# Altium PCB openservo_tessellated.PcbDoc (part 4 of 13) (continued)
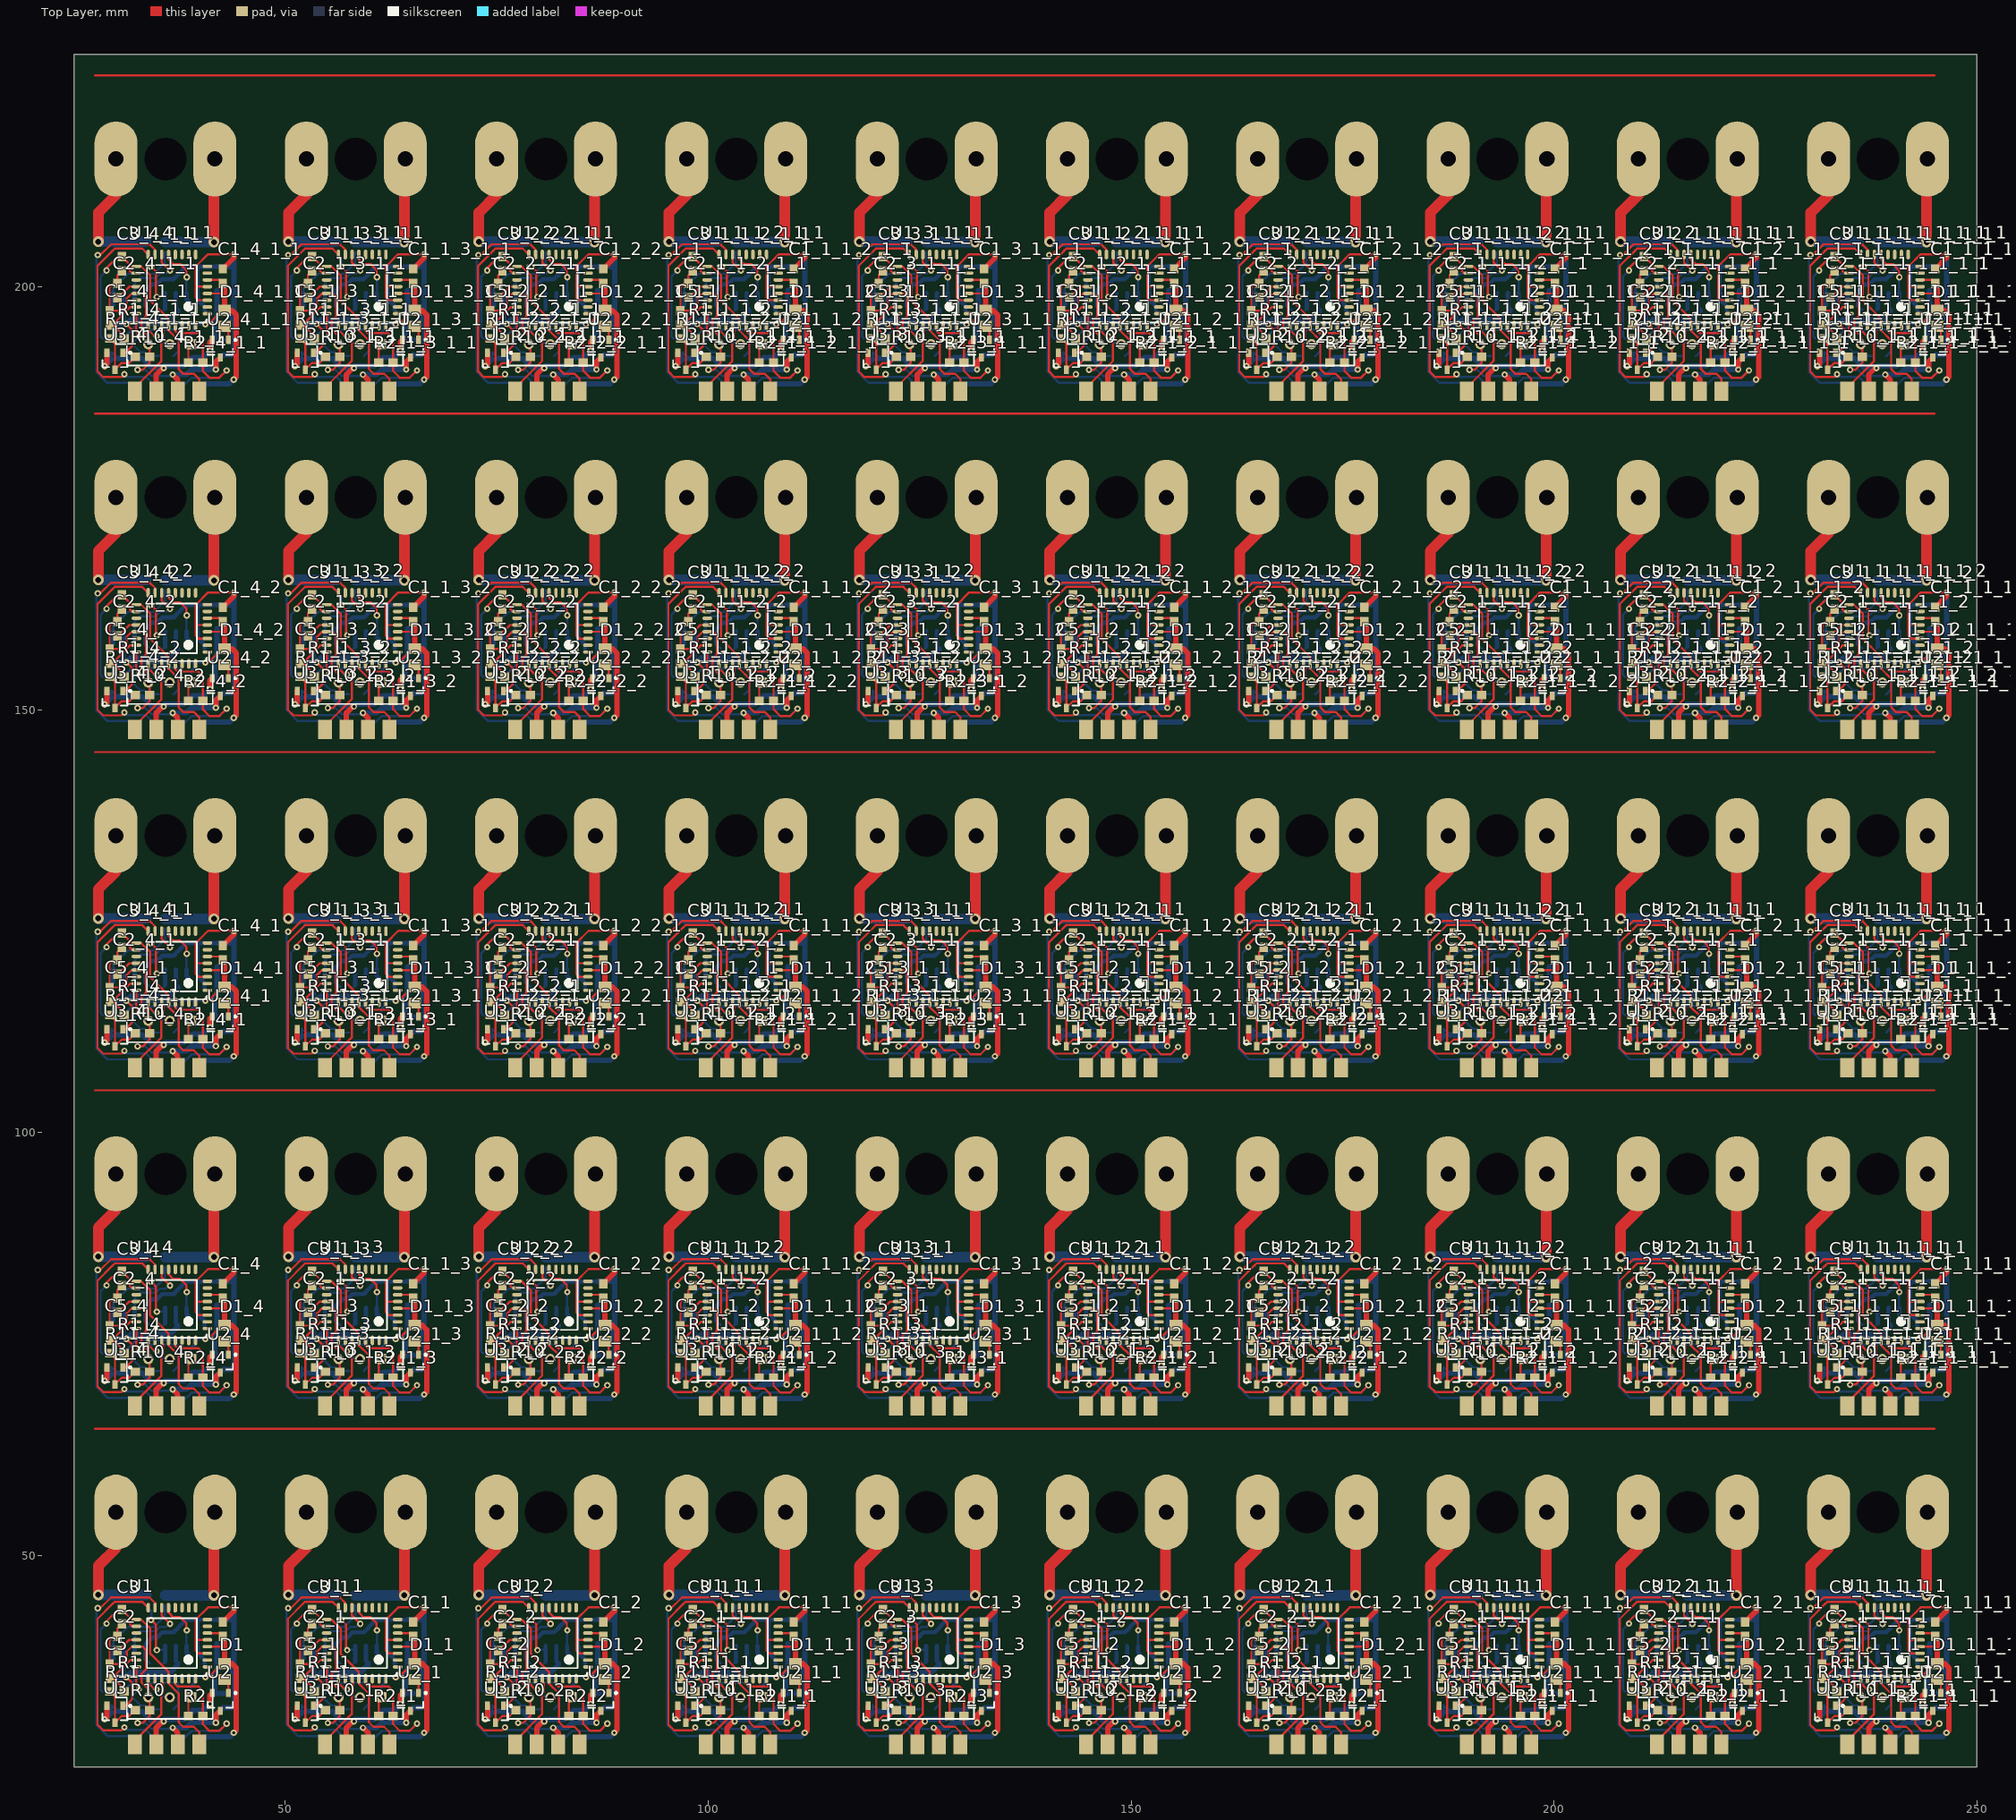
[diagram p0: Top Layer view]
## Nets (pads, with @x,y where several pads share a name; then routed paths per layer and width w, separated by ;. In a path a pad name is that pad's centre, name@x,y a point inside that pad or via, vN(x,y) a via of type N, cw(c..) or ccw(c..) an arc to the next point about the centre after c; other vN are vias at no path point) (continued)
pads on no net: C1_1.1 C1_1.2 C1_1_1.1 C1_1_1.2 C1_1_1_1.1 C1_1_1_1.2 C1_1_1_1_1.1 C1_1_1_1_1.2 C1_1_1_1_1_1.1 C1_1_1_1_1_1.2 C1_1_1_1_1_1_1.1 C1_1_1_1_1_1_1.2 C1_1_1_1_1_1_1_1.1 C1_1_1_1_1_1_1_1.2 C1_1_1_1_1_1_2.1 C1_1_1_1_1_1_2.2 C1_1_1_1_2.1 C1_1_1_1_2.2 C1_1_1_1_2_1.1 C1_1_1_1_2_1.2 C1_1_1_1_2_1_1.1 C1_1_1_1_2_1_1.2 C1_1_1_1_2_2.1 C1_1_1_1_2_2.2 C1_1_1_2.1 C1_1_1_2.2 C1_1_1_2_1.1 C1_1_1_2_1.2 C1_1_1_2_1_1.1 C1_1_1_2_1_1.2 C1_1_1_2_2.1 C1_1_1_2_2.2 C1_1_2.1 C1_1_2.2 C1_1_2_1.1 C1_1_2_1.2 C1_1_2_1_1.1 C1_1_2_1_1.2 C1_1_2_1_1_1.1 C1_1_2_1_1_1.2 C1_1_2_1_2.1 C1_1_2_1_2.2 C1_1_3.1 C1_1_3.2 C1_1_3_1.1 C1_1_3_1.2 C1_1_3_1_1.1 C1_1_3_1_1.2 C1_1_3_2.1 C1_1_3_2.2 C1_2.1 C1_2.2 C1_2_1.1 C1_2_1.2 C1_2_1_1.1 C1_2_1_1.2 C1_2_1_1_1.1 C1_2_1_1_1.2 C1_2_1_1_1_1.1 C1_2_1_1_1_1.2 C1_2_1_1_1_1_1.1 C1_2_1_1_1_1_1.2 C1_2_1_1_1_2.1 C1_2_1_1_1_2.2 C1_2_1_2.1 C1_2_1_2.2 C1_2_1_2_1.1 C1_2_1_2_1.2 C1_2_1_2_1_1.1 C1_2_1_2_1_1.2 C1_2_1_2_2.1 C1_2_1_2_2.2 C1_2_2.1 C1_2_2.2 C1_2_2_1.1 C1_2_2_1.2 C1_2_2_1_1.1 C1_2_2_1_1.2 C1_2_2_2.1 C1_2_2_2.2 C1_3.1 C1_3.2 C1_3_1.1 C1_3_1.2 C1_3_1_1.1 C1_3_1_1.2 C1_3_1_1_1.1 C1_3_1_1_1.2 C1_3_1_2.1 C1_3_1_2.2 C1_4.1 C1_4.2 C1_4_1.1 C1_4_1.2 C1_4_1_1.1 C1_4_1_1.2 C1_4_2.1 C1_4_2.2 C2_1.1 C2_1.2 C2_1_1.1 C2_1_1.2 C2_1_1_1.1 C2_1_1_1.2 C2_1_1_1_1.1 C2_1_1_1_1.2 C2_1_1_1_1_1.1 C2_1_1_1_1_1.2 C2_1_1_1_1_1_1.1 C2_1_1_1_1_1_1.2 C2_1_1_1_1_1_1_1.1 C2_1_1_1_1_1_1_1.2 C2_1_1_1_1_1_2.1 C2_1_1_1_1_1_2.2 C2_1_1_1_2.1 C2_1_1_1_2.2 C2_1_1_1_2_1.1 C2_1_1_1_2_1.2 C2_1_1_1_2_1_1.1 C2_1_1_1_2_1_1.2 C2_1_1_1_2_2.1 C2_1_1_1_2_2.2 C2_1_1_2.1 C2_1_1_2.2 C2_1_1_2_1.1 C2_1_1_2_1.2 C2_1_1_2_1_1.1 C2_1_1_2_1_1.2 C2_1_1_2_2.1 C2_1_1_2_2.2 C2_1_2.1 C2_1_2.2 C2_1_2_1.1 C2_1_2_1.2 C2_1_2_1_1.1 C2_1_2_1_1.2 C2_1_2_1_1_1.1 C2_1_2_1_1_1.2 C2_1_2_1_2.1 C2_1_2_1_2.2 C2_1_3.1 C2_1_3.2 C2_1_3_1.1 C2_1_3_1.2 C2_1_3_1_1.1 C2_1_3_1_1.2 C2_1_3_2.1 C2_1_3_2.2 C2_2.1 C2_2.2 C2_2_1.1 C2_2_1.2 C2_2_1_1.1 C2_2_1_1.2 C2_2_1_1_1.1 C2_2_1_1_1.2 C2_2_1_1_1_1.1 C2_2_1_1_1_1.2 C2_2_1_1_1_1_1.1 C2_2_1_1_1_1_1.2 C2_2_1_1_1_2.1 C2_2_1_1_1_2.2 C2_2_1_2.1 C2_2_1_2.2 C2_2_1_2_1.1 C2_2_1_2_1.2 C2_2_1_2_1_1.1 C2_2_1_2_1_1.2 C2_2_1_2_2.1 C2_2_1_2_2.2 C2_2_2.1 C2_2_2.2 C2_2_2_1.1 C2_2_2_1.2 C2_2_2_1_1.1 C2_2_2_1_1.2 C2_2_2_2.1 C2_2_2_2.2 C2_3.1 C2_3.2 C2_3_1.1 C2_3_1.2 C2_3_1_1.1 C2_3_1_1.2 C2_3_1_1_1.1 C2_3_1_1_1.2 C2_3_1_2.1 C2_3_1_2.2 C2_4.1 C2_4.2 C2_4_1.1 C2_4_1.2 C2_4_1_1.1 C2_4_1_1.2 C2_4_2.1 C2_4_2.2 C3_1.1 C3_1.2 C3_1_1.1 C3_1_1.2 C3_1_1_1.1 C3_1_1_1.2 C3_1_1_1_1.1 C3_1_1_1_1.2 C3_1_1_1_1_1.1 C3_1_1_1_1_1.2 C3_1_1_1_1_1_1.1 C3_1_1_1_1_1_1.2 C3_1_1_1_1_1_1_1.1 C3_1_1_1_1_1_1_1.2 C3_1_1_1_1_1_2.1 C3_1_1_1_1_1_2.2 C3_1_1_1_2.1 C3_1_1_1_2.2 C3_1_1_1_2_1.1 C3_1_1_1_2_1.2 C3_1_1_1_2_1_1.1 C3_1_1_1_2_1_1.2 C3_1_1_1_2_2.1 C3_1_1_1_2_2.2 C3_1_1_2.1 C3_1_1_2.2 C3_1_1_2_1.1 C3_1_1_2_1.2 C3_1_1_2_1_1.1 C3_1_1_2_1_1.2 C3_1_1_2_2.1 C3_1_1_2_2.2 C3_1_2.1 C3_1_2.2 C3_1_2_1.1 C3_1_2_1.2 C3_1_2_1_1.1 C3_1_2_1_1.2 C3_1_2_1_1_1.1 C3_1_2_1_1_1.2 C3_1_2_1_2.1 C3_1_2_1_2.2 C3_1_3.1 C3_1_3.2 C3_1_3_1.1 C3_1_3_1.2 C3_1_3_1_1.1 C3_1_3_1_1.2 C3_1_3_2.1 C3_1_3_2.2 C3_2.1 C3_2.2 C3_2_1.1 C3_2_1.2 C3_2_1_1.1 C3_2_1_1.2 C3_2_1_1_1.1 C3_2_1_1_1.2 C3_2_1_1_1_1.1 C3_2_1_1_1_1.2 C3_2_1_1_1_1_1.1 C3_2_1_1_1_1_1.2 C3_2_1_1_1_2.1 C3_2_1_1_1_2.2 C3_2_1_2.1 C3_2_1_2.2 C3_2_1_2_1.1 C3_2_1_2_1.2 C3_2_1_2_1_1.1 C3_2_1_2_1_1.2 C3_2_1_2_2.1 C3_2_1_2_2.2 C3_2_2.1 C3_2_2.2 C3_2_2_1.1 C3_2_2_1.2 C3_2_2_1_1.1 C3_2_2_1_1.2 C3_2_2_2.1 C3_2_2_2.2 C3_3.1 C3_3.2 C3_3_1.1 C3_3_1.2 C3_3_1_1.1 C3_3_1_1.2 C3_3_1_1_1.1 C3_3_1_1_1.2 C3_3_1_2.1 C3_3_1_2.2 C3_4.1 C3_4.2 C3_4_1.1 C3_4_1.2 C3_4_1_1.1 C3_4_1_1.2 C3_4_2.1 C3_4_2.2 C4_1.1 C4_1.2 C4_1_1.1 C4_1_1.2 C4_1_1_1.1 C4_1_1_1.2 C4_1_1_1_1.1 C4_1_1_1_1.2 C4_1_1_1_1_1.1 C4_1_1_1_1_1.2 C4_1_1_1_1_1_1.1 C4_1_1_1_1_1_1.2 C4_1_1_1_1_1_1_1.1 C4_1_1_1_1_1_1_1.2 C4_1_1_1_1_1_2.1 C4_1_1_1_1_1_2.2 C4_1_1_1_2.1 C4_1_1_1_2.2 C4_1_1_1_2_1.1 C4_1_1_1_2_1.2 C4_1_1_1_2_1_1.1 C4_1_1_1_2_1_1.2 C4_1_1_1_2_2.1 C4_1_1_1_2_2.2 C4_1_1_2.1 C4_1_1_2.2 C4_1_1_2_1.1 C4_1_1_2_1.2 C4_1_1_2_1_1.1 C4_1_1_2_1_1.2 C4_1_1_2_2.1 C4_1_1_2_2.2 C4_1_2.1 C4_1_2.2 C4_1_2_1.1 C4_1_2_1.2 C4_1_2_1_1.1 C4_1_2_1_1.2 C4_1_2_1_1_1.1 C4_1_2_1_1_1.2 C4_1_2_1_2.1 C4_1_2_1_2.2 C4_1_3.1 C4_1_3.2 C4_1_3_1.1 C4_1_3_1.2 C4_1_3_1_1.1 C4_1_3_1_1.2 C4_1_3_2.1 C4_1_3_2.2 C4_2.1 C4_2.2 C4_2_1.1 C4_2_1.2 C4_2_1_1.1 C4_2_1_1.2 C4_2_1_1_1.1 C4_2_1_1_1.2 C4_2_1_1_1_1.1 C4_2_1_1_1_1.2 C4_2_1_1_1_1_1.1 C4_2_1_1_1_1_1.2 C4_2_1_1_1_2.1 C4_2_1_1_1_2.2 C4_2_1_2.1 C4_2_1_2.2 C4_2_1_2_1.1 C4_2_1_2_1.2 C4_2_1_2_1_1.1 C4_2_1_2_1_1.2 C4_2_1_2_2.1 C4_2_1_2_2.2 C4_2_2.1 C4_2_2.2 C4_2_2_1.1 C4_2_2_1.2 C4_2_2_1_1.1 C4_2_2_1_1.2 C4_2_2_2.1 C4_2_2_2.2 C4_3.1 C4_3.2 C4_3_1.1 C4_3_1.2 C4_3_1_1.1 C4_3_1_1.2 C4_3_1_1_1.1 C4_3_1_1_1.2 C4_3_1_2.1 C4_3_1_2.2 C4_4.1 C4_4.2 C4_4_1.1 C4_4_1.2 C4_4_1_1.1 C4_4_1_1.2 C4_4_2.1 C4_4_2.2 C5_1.1 C5_1.2 C5_1_1.1 C5_1_1.2 C5_1_1_1.1 C5_1_1_1.2 C5_1_1_1_1.1 C5_1_1_1_1.2 C5_1_1_1_1_1.1 C5_1_1_1_1_1.2 C5_1_1_1_1_1_1.1 C5_1_1_1_1_1_1.2 C5_1_1_1_1_1_1_1.1 C5_1_1_1_1_1_1_1.2 C5_1_1_1_1_1_2.1 C5_1_1_1_1_1_2.2 C5_1_1_1_2.1 C5_1_1_1_2.2 C5_1_1_1_2_1.1 C5_1_1_1_2_1.2 C5_1_1_1_2_1_1.1 C5_1_1_1_2_1_1.2 C5_1_1_1_2_2.1 C5_1_1_1_2_2.2 C5_1_1_2.1 C5_1_1_2.2 C5_1_1_2_1.1 C5_1_1_2_1.2 C5_1_1_2_1_1.1 C5_1_1_2_1_1.2 C5_1_1_2_2.1 C5_1_1_2_2.2 C5_1_2.1 C5_1_2.2 C5_1_2_1.1 C5_1_2_1.2 C5_1_2_1_1.1 C5_1_2_1_1.2 C5_1_2_1_1_1.1 C5_1_2_1_1_1.2 C5_1_2_1_2.1 C5_1_2_1_2.2 C5_1_3.1 C5_1_3.2 C5_1_3_1.1 C5_1_3_1.2 C5_1_3_1_1.1 C5_1_3_1_1.2 C5_1_3_2.1 C5_1_3_2.2 C5_2.1 C5_2.2 C5_2_1.1 C5_2_1.2 C5_2_1_1.1 C5_2_1_1.2 C5_2_1_1_1.1 C5_2_1_1_1.2 C5_2_1_1_1_1.1 C5_2_1_1_1_1.2 C5_2_1_1_1_1_1.1 C5_2_1_1_1_1_1.2 C5_2_1_1_1_2.1 C5_2_1_1_1_2.2 C5_2_1_2.1 C5_2_1_2.2 C5_2_1_2_1.1 C5_2_1_2_1.2 C5_2_1_2_1_1.1 C5_2_1_2_1_1.2 C5_2_1_2_2.1 C5_2_1_2_2.2 C5_2_2.1 C5_2_2.2 C5_2_2_1.1 C5_2_2_1.2 C5_2_2_1_1.1 C5_2_2_1_1.2 C5_2_2_2.1 C5_2_2_2.2 C5_3.1 C5_3.2 C5_3_1.1 C5_3_1.2 C5_3_1_1.1 C5_3_1_1.2 C5_3_1_1_1.1 C5_3_1_1_1.2 C5_3_1_2.1 C5_3_1_2.2 C5_4.1 C5_4.2 C5_4_1.1 C5_4_1.2 C5_4_1_1.1 C5_4_1_1.2 C5_4_2.1 C5_4_2.2 C6_1.1 C6_1.2 C6_1_1.1 C6_1_1.2 C6_1_1_1.1 C6_1_1_1.2 C6_1_1_1_1.1 C6_1_1_1_1.2 C6_1_1_1_1_1.1 C6_1_1_1_1_1.2 C6_1_1_1_1_1_1.1 C6_1_1_1_1_1_1.2 C6_1_1_1_1_1_1_1.1 C6_1_1_1_1_1_1_1.2 C6_1_1_1_1_1_2.1 C6_1_1_1_1_1_2.2 C6_1_1_1_2.1 C6_1_1_1_2.2 C6_1_1_1_2_1.1 C6_1_1_1_2_1.2 C6_1_1_1_2_1_1.1 C6_1_1_1_2_1_1.2 C6_1_1_1_2_2.1 C6_1_1_1_2_2.2 C6_1_1_2.1 C6_1_1_2.2 C6_1_1_2_1.1 C6_1_1_2_1.2 C6_1_1_2_1_1.1 C6_1_1_2_1_1.2 C6_1_1_2_2.1 C6_1_1_2_2.2 C6_1_2.1 C6_1_2.2 C6_1_2_1.1 C6_1_2_1.2 C6_1_2_1_1.1 C6_1_2_1_1.2 C6_1_2_1_1_1.1 C6_1_2_1_1_1.2 C6_1_2_1_2.1 C6_1_2_1_2.2 C6_1_3.1 C6_1_3.2 C6_1_3_1.1 C6_1_3_1.2 C6_1_3_1_1.1 C6_1_3_1_1.2 C6_1_3_2.1 C6_1_3_2.2 C6_2.1 C6_2.2 C6_2_1.1 C6_2_1.2 C6_2_1_1.1 C6_2_1_1.2 C6_2_1_1_1.1 C6_2_1_1_1.2 C6_2_1_1_1_1.1 C6_2_1_1_1_1.2 C6_2_1_1_1_1_1.1 C6_2_1_1_1_1_1.2 C6_2_1_1_1_2.1 C6_2_1_1_1_2.2 C6_2_1_2.1 C6_2_1_2.2 C6_2_1_2_1.1 C6_2_1_2_1.2 C6_2_1_2_1_1.1 C6_2_1_2_1_1.2 C6_2_1_2_2.1 C6_2_1_2_2.2 C6_2_2.1 C6_2_2.2 C6_2_2_1.1 C6_2_2_1.2 C6_2_2_1_1.1 C6_2_2_1_1.2 C6_2_2_2.1 C6_2_2_2.2 C6_3.1 C6_3.2 C6_3_1.1 C6_3_1.2 C6_3_1_1.1 C6_3_1_1.2 C6_3_1_1_1.1 C6_3_1_1_1.2 C6_3_1_2.1 C6_3_1_2.2 C6_4.1 C6_4.2 C6_4_1.1 C6_4_1.2 C6_4_1_1.1 C6_4_1_1.2 C6_4_2.1 C6_4_2.2 C7_1.1 C7_1.2 C7_1_1.1 C7_1_1.2 C7_1_1_1.1 C7_1_1_1.2 C7_1_1_1_1.1 C7_1_1_1_1.2 C7_1_1_1_1_1.1 C7_1_1_1_1_1.2 C7_1_1_1_1_1_1.1 C7_1_1_1_1_1_1.2 C7_1_1_1_1_1_1_1.1 C7_1_1_1_1_1_1_1.2 C7_1_1_1_1_1_2.1 C7_1_1_1_1_1_2.2 C7_1_1_1_2.1 C7_1_1_1_2.2 C7_1_1_1_2_1.1 C7_1_1_1_2_1.2 C7_1_1_1_2_1_1.1 C7_1_1_1_2_1_1.2 C7_1_1_1_2_2.1 C7_1_1_1_2_2.2 C7_1_1_2.1 C7_1_1_2.2 C7_1_1_2_1.1 C7_1_1_2_1.2 C7_1_1_2_1_1.1 C7_1_1_2_1_1.2 C7_1_1_2_2.1 C7_1_1_2_2.2 C7_1_2.1 C7_1_2.2 C7_1_2_1.1 C7_1_2_1.2 C7_1_2_1_1.1 C7_1_2_1_1.2 C7_1_2_1_1_1.1 C7_1_2_1_1_1.2 C7_1_2_1_2.1 C7_1_2_1_2.2 C7_1_3.1 C7_1_3.2 C7_1_3_1.1 C7_1_3_1.2 C7_1_3_1_1.1 C7_1_3_1_1.2 C7_1_3_2.1 C7_1_3_2.2 C7_2.1 C7_2.2 C7_2_1.1 C7_2_1.2 C7_2_1_1.1 C7_2_1_1.2 C7_2_1_1_1.1 C7_2_1_1_1.2 C7_2_1_1_1_1.1 C7_2_1_1_1_1.2 C7_2_1_1_1_1_1.1 C7_2_1_1_1_1_1.2 C7_2_1_1_1_2.1 C7_2_1_1_1_2.2 C7_2_1_2.1 C7_2_1_2.2 C7_2_1_2_1.1 C7_2_1_2_1.2 C7_2_1_2_1_1.1 C7_2_1_2_1_1.2 C7_2_1_2_2.1 C7_2_1_2_2.2 C7_2_2.1 C7_2_2.2 C7_2_2_1.1 C7_2_2_1.2 C7_2_2_1_1.1 C7_2_2_1_1.2 C7_2_2_2.1 C7_2_2_2.2 C7_3.1 C7_3.2 C7_3_1.1 C7_3_1.2 C7_3_1_1.1 C7_3_1_1.2 C7_3_1_1_1.1 C7_3_1_1_1.2 C7_3_1_2.1 C7_3_1_2.2 C7_4.1 C7_4.2 C7_4_1.1 C7_4_1.2 C7_4_1_1.1 C7_4_1_1.2 C7_4_2.1 C7_4_2.2 C8_1.1 C8_1.2 C8_1_1.1 C8_1_1.2 C8_1_1_1.1 C8_1_1_1.2 C8_1_1_1_1.1 C8_1_1_1_1.2 C8_1_1_1_1_1.1 C8_1_1_1_1_1.2 C8_1_1_1_1_1_1.1 C8_1_1_1_1_1_1.2 C8_1_1_1_1_1_1_1.1 C8_1_1_1_1_1_1_1.2 C8_1_1_1_1_1_2.1 C8_1_1_1_1_1_2.2 C8_1_1_1_2.1 C8_1_1_1_2.2 C8_1_1_1_2_1.1 C8_1_1_1_2_1.2 C8_1_1_1_2_1_1.1 C8_1_1_1_2_1_1.2 C8_1_1_1_2_2.1 C8_1_1_1_2_2.2 C8_1_1_2.1 C8_1_1_2.2 C8_1_1_2_1.1 C8_1_1_2_1.2 C8_1_1_2_1_1.1 C8_1_1_2_1_1.2 C8_1_1_2_2.1 C8_1_1_2_2.2 C8_1_2.1 C8_1_2.2 C8_1_2_1.1 C8_1_2_1.2 C8_1_2_1_1.1 C8_1_2_1_1.2 C8_1_2_1_1_1.1 C8_1_2_1_1_1.2 C8_1_2_1_2.1 C8_1_2_1_2.2 C8_1_3.1 C8_1_3.2 C8_1_3_1.1 C8_1_3_1.2 C8_1_3_1_1.1 C8_1_3_1_1.2 C8_1_3_2.1 C8_1_3_2.2 C8_2.1 C8_2.2 C8_2_1.1 C8_2_1.2 C8_2_1_1.1 C8_2_1_1.2 C8_2_1_1_1.1 C8_2_1_1_1.2 C8_2_1_1_1_1.1 C8_2_1_1_1_1.2 C8_2_1_1_1_1_1.1 C8_2_1_1_1_1_1.2 C8_2_1_1_1_2.1 C8_2_1_1_1_2.2 C8_2_1_2.1 C8_2_1_2.2 C8_2_1_2_1.1 C8_2_1_2_1.2 C8_2_1_2_1_1.1 C8_2_1_2_1_1.2 C8_2_1_2_2.1 C8_2_1_2_2.2 C8_2_2.1 C8_2_2.2 C8_2_2_1.1 C8_2_2_1.2 C8_2_2_1_1.1 C8_2_2_1_1.2 C8_2_2_2.1 C8_2_2_2.2 C8_3.1 C8_3.2 C8_3_1.1 C8_3_1.2 C8_3_1_1.1 C8_3_1_1.2 C8_3_1_1_1.1 C8_3_1_1_1.2 C8_3_1_2.1 C8_3_1_2.2 C8_4.1 C8_4.2 C8_4_1.1 C8_4_1.2 C8_4_1_1.1 C8_4_1_1.2 C8_4_2.1 C8_4_2.2 D1_1.1 D1_1.2 D1_1_1.1 D1_1_1.2 D1_1_1_1.1 D1_1_1_1.2 D1_1_1_1_1.1 D1_1_1_1_1.2 D1_1_1_1_1_1.1 D1_1_1_1_1_1.2 D1_1_1_1_1_1_1.1 D1_1_1_1_1_1_1.2 D1_1_1_1_1_1_1_1.1 D1_1_1_1_1_1_1_1.2 D1_1_1_1_1_1_2.1 D1_1_1_1_1_1_2.2 D1_1_1_1_2.1 D1_1_1_1_2.2 D1_1_1_1_2_1.1 D1_1_1_1_2_1.2 D1_1_1_1_2_1_1.1 D1_1_1_1_2_1_1.2 D1_1_1_1_2_2.1 D1_1_1_1_2_2.2 D1_1_1_2.1 D1_1_1_2.2 D1_1_1_2_1.1 D1_1_1_2_1.2 D1_1_1_2_1_1.1 D1_1_1_2_1_1.2 D1_1_1_2_2.1 D1_1_1_2_2.2 D1_1_2.1 D1_1_2.2 D1_1_2_1.1 D1_1_2_1.2 D1_1_2_1_1.1 D1_1_2_1_1.2 D1_1_2_1_1_1.1 D1_1_2_1_1_1.2 D1_1_2_1_2.1 D1_1_2_1_2.2 D1_1_3.1 D1_1_3.2 D1_1_3_1.1 D1_1_3_1.2 D1_1_3_1_1.1 D1_1_3_1_1.2 D1_1_3_2.1 D1_1_3_2.2 D1_2.1 D1_2.2 D1_2_1.1 D1_2_1.2 D1_2_1_1.1 D1_2_1_1.2 D1_2_1_1_1.1 D1_2_1_1_1.2 D1_2_1_1_1_1.1 D1_2_1_1_1_1.2 D1_2_1_1_1_1_1.1 D1_2_1_1_1_1_1.2 D1_2_1_1_1_2.1 D1_2_1_1_1_2.2 D1_2_1_2.1 D1_2_1_2.2 D1_2_1_2_1.1 D1_2_1_2_1.2 D1_2_1_2_1_1.1 D1_2_1_2_1_1.2 D1_2_1_2_2.1 D1_2_1_2_2.2 D1_2_2.1 D1_2_2.2 D1_2_2_1.1 D1_2_2_1.2 D1_2_2_1_1.1 D1_2_2_1_1.2 D1_2_2_2.1 D1_2_2_2.2 D1_3.1 D1_3.2 D1_3_1.1 D1_3_1.2 D1_3_1_1.1 D1_3_1_1.2 D1_3_1_1_1.1 D1_3_1_1_1.2 D1_3_1_2.1 D1_3_1_2.2 D1_4.1 D1_4.2 D1_4_1.1 D1_4_1.2 D1_4_1_1.1 D1_4_1_1.2 D1_4_2.1 D1_4_2.2 Q1_1.1 Q1_1.2 Q1_1.3 Q1_1.4 Q1_1.5 Q1_1.6 Q1_1.7 Q1_1.8 Q1_1_1.1 Q1_1_1.2 Q1_1_1.3 Q1_1_1.4 Q1_1_1.5 Q1_1_1.6 Q1_1_1.7 Q1_1_1.8 Q1_1_1_1.1 Q1_1_1_1.2 Q1_1_1_1.3 Q1_1_1_1.4 Q1_1_1_1.5 Q1_1_1_1.6 Q1_1_1_1.7 Q1_1_1_1.8 Q1_1_1_1_1.1 Q1_1_1_1_1.2 Q1_1_1_1_1.3 Q1_1_1_1_1.4 Q1_1_1_1_1.5 Q1_1_1_1_1.6 Q1_1_1_1_1.7 Q1_1_1_1_1.8 Q1_1_1_1_1_1.1 Q1_1_1_1_1_1.2 Q1_1_1_1_1_1.3 Q1_1_1_1_1_1.4 Q1_1_1_1_1_1.5 Q1_1_1_1_1_1.6 Q1_1_1_1_1_1.7 Q1_1_1_1_1_1.8 Q1_1_1_1_1_1_1.1 Q1_1_1_1_1_1_1.2 Q1_1_1_1_1_1_1.3 Q1_1_1_1_1_1_1.4 Q1_1_1_1_1_1_1.5 Q1_1_1_1_1_1_1.6 Q1_1_1_1_1_1_1.7 Q1_1_1_1_1_1_1.8 Q1_1_1_1_1_1_1_1.1 Q1_1_1_1_1_1_1_1.2 Q1_1_1_1_1_1_1_1.3 Q1_1_1_1_1_1_1_1.4 Q1_1_1_1_1_1_1_1.5 Q1_1_1_1_1_1_1_1.6 Q1_1_1_1_1_1_1_1.7 Q1_1_1_1_1_1_1_1.8 Q1_1_1_1_1_1_2.1 Q1_1_1_1_1_1_2.2 Q1_1_1_1_1_1_2.3 Q1_1_1_1_1_1_2.4 Q1_1_1_1_1_1_2.5 Q1_1_1_1_1_1_2.6 Q1_1_1_1_1_1_2.7 Q1_1_1_1_1_1_2.8 Q1_1_1_1_2.1 Q1_1_1_1_2.2 Q1_1_1_1_2.3 Q1_1_1_1_2.4 Q1_1_1_1_2.5 Q1_1_1_1_2.6 Q1_1_1_1_2.7 Q1_1_1_1_2.8 Q1_1_1_1_2_1.1 Q1_1_1_1_2_1.2 Q1_1_1_1_2_1.3 Q1_1_1_1_2_1.4 Q1_1_1_1_2_1.5 Q1_1_1_1_2_1.6 Q1_1_1_1_2_1.7 Q1_1_1_1_2_1.8 Q1_1_1_1_2_1_1.1 Q1_1_1_1_2_1_1.2 Q1_1_1_1_2_1_1.3 Q1_1_1_1_2_1_1.4 Q1_1_1_1_2_1_1.5 Q1_1_1_1_2_1_1.6 Q1_1_1_1_2_1_1.7 Q1_1_1_1_2_1_1.8 Q1_1_1_1_2_2.1 Q1_1_1_1_2_2.2 Q1_1_1_1_2_2.3 Q1_1_1_1_2_2.4 Q1_1_1_1_2_2.5 Q1_1_1_1_2_2.6 Q1_1_1_1_2_2.7 Q1_1_1_1_2_2.8 Q1_1_1_2.1 Q1_1_1_2.2 Q1_1_1_2.3 Q1_1_1_2.4 Q1_1_1_2.5 Q1_1_1_2.6 Q1_1_1_2.7 Q1_1_1_2.8 Q1_1_1_2_1.1 Q1_1_1_2_1.2 Q1_1_1_2_1.3 Q1_1_1_2_1.4 Q1_1_1_2_1.5 Q1_1_1_2_1.6 Q1_1_1_2_1.7 Q1_1_1_2_1.8 Q1_1_1_2_1_1.1 Q1_1_1_2_1_1.2 Q1_1_1_2_1_1.3 Q1_1_1_2_1_1.4 Q1_1_1_2_1_1.5 Q1_1_1_2_1_1.6 Q1_1_1_2_1_1.7 Q1_1_1_2_1_1.8 Q1_1_1_2_2.1 Q1_1_1_2_2.2 Q1_1_1_2_2.3 Q1_1_1_2_2.4 Q1_1_1_2_2.5 Q1_1_1_2_2.6 Q1_1_1_2_2.7 Q1_1_1_2_2.8 Q1_1_2.1 Q1_1_2.2 Q1_1_2.3 Q1_1_2.4 Q1_1_2.5 Q1_1_2.6 Q1_1_2.7 Q1_1_2.8 Q1_1_2_1.1 Q1_1_2_1.2 Q1_1_2_1.3 Q1_1_2_1.4 Q1_1_2_1.5 Q1_1_2_1.6 Q1_1_2_1.7 Q1_1_2_1.8 Q1_1_2_1_1.1 Q1_1_2_1_1.2 Q1_1_2_1_1.3 Q1_1_2_1_1.4 Q1_1_2_1_1.5 Q1_1_2_1_1.6 Q1_1_2_1_1.7 Q1_1_2_1_1.8 Q1_1_2_1_1_1.1 Q1_1_2_1_1_1.2 Q1_1_2_1_1_1.3 Q1_1_2_1_1_1.4 Q1_1_2_1_1_1.5 Q1_1_2_1_1_1.6 Q1_1_2_1_1_1.7 Q1_1_2_1_1_1.8 Q1_1_2_1_2.1 Q1_1_2_1_2.2 Q1_1_2_1_2.3 Q1_1_2_1_2.4 Q1_1_2_1_2.5 Q1_1_2_1_2.6 Q1_1_2_1_2.7 Q1_1_2_1_2.8 Q1_1_3.1 Q1_1_3.2 Q1_1_3.3 Q1_1_3.4 Q1_1_3.5 Q1_1_3.6 Q1_1_3.7 Q1_1_3.8 Q1_1_3_1.1 Q1_1_3_1.2 Q1_1_3_1.3 Q1_1_3_1.4 Q1_1_3_1.5 Q1_1_3_1.6 Q1_1_3_1.7 Q1_1_3_1.8 Q1_1_3_1_1.1 Q1_1_3_1_1.2 Q1_1_3_1_1.3 Q1_1_3_1_1.4 Q1_1_3_1_1.5 Q1_1_3_1_1.6 Q1_1_3_1_1.7 Q1_1_3_1_1.8 Q1_1_3_2.1 Q1_1_3_2.2 Q1_1_3_2.3 Q1_1_3_2.4 Q1_1_3_2.5 Q1_1_3_2.6 Q1_1_3_2.7 Q1_1_3_2.8 Q1_2.1 Q1_2.2 Q1_2.3 Q1_2.4 Q1_2.5 Q1_2.6 Q1_2.7 Q1_2.8 Q1_2_1.1 Q1_2_1.2 Q1_2_1.3 Q1_2_1.4 Q1_2_1.5 Q1_2_1.6 Q1_2_1.7 Q1_2_1.8 Q1_2_1_1.1 Q1_2_1_1.2 Q1_2_1_1.3 Q1_2_1_1.4 Q1_2_1_1.5 Q1_2_1_1.6 Q1_2_1_1.7 Q1_2_1_1.8 Q1_2_1_1_1.1 Q1_2_1_1_1.2 Q1_2_1_1_1.3 Q1_2_1_1_1.4 Q1_2_1_1_1.5 Q1_2_1_1_1.6 Q1_2_1_1_1.7 Q1_2_1_1_1.8 Q1_2_1_1_1_1.1 Q1_2_1_1_1_1.2 Q1_2_1_1_1_1.3 Q1_2_1_1_1_1.4 Q1_2_1_1_1_1.5 Q1_2_1_1_1_1.6 Q1_2_1_1_1_1.7 Q1_2_1_1_1_1.8 Q1_2_1_1_1_1_1.1 Q1_2_1_1_1_1_1.2 Q1_2_1_1_1_1_1.3 Q1_2_1_1_1_1_1.4 Q1_2_1_1_1_1_1.5 Q1_2_1_1_1_1_1.6 Q1_2_1_1_1_1_1.7 Q1_2_1_1_1_1_1.8 Q1_2_1_1_1_2.1 Q1_2_1_1_1_2.2 Q1_2_1_1_1_2.3 Q1_2_1_1_1_2.4 Q1_2_1_1_1_2.5 Q1_2_1_1_1_2.6 Q1_2_1_1_1_2.7 Q1_2_1_1_1_2.8 Q1_2_1_2.1 Q1_2_1_2.2 Q1_2_1_2.3 Q1_2_1_2.4 Q1_2_1_2.5 Q1_2_1_2.6 Q1_2_1_2.7 Q1_2_1_2.8 Q1_2_1_2_1.1 Q1_2_1_2_1.2 Q1_2_1_2_1.3 Q1_2_1_2_1.4 Q1_2_1_2_1.5 Q1_2_1_2_1.6 Q1_2_1_2_1.7 Q1_2_1_2_1.8 Q1_2_1_2_1_1.1 Q1_2_1_2_1_1.2 Q1_2_1_2_1_1.3 Q1_2_1_2_1_1.4 Q1_2_1_2_1_1.5 Q1_2_1_2_1_1.6 Q1_2_1_2_1_1.7 Q1_2_1_2_1_1.8 Q1_2_1_2_2.1 Q1_2_1_2_2.2 Q1_2_1_2_2.3 Q1_2_1_2_2.4 Q1_2_1_2_2.5 Q1_2_1_2_2.6 Q1_2_1_2_2.7 Q1_2_1_2_2.8 Q1_2_2.1 Q1_2_2.2 Q1_2_2.3 Q1_2_2.4 Q1_2_2.5 Q1_2_2.6 Q1_2_2.7 Q1_2_2.8 Q1_2_2_1.1 Q1_2_2_1.2 Q1_2_2_1.3 Q1_2_2_1.4 Q1_2_2_1.5 Q1_2_2_1.6 Q1_2_2_1.7 Q1_2_2_1.8 Q1_2_2_1_1.1 Q1_2_2_1_1.2 Q1_2_2_1_1.3 Q1_2_2_1_1.4 Q1_2_2_1_1.5 Q1_2_2_1_1.6 Q1_2_2_1_1.7 Q1_2_2_1_1.8 Q1_2_2_2.1 Q1_2_2_2.2 Q1_2_2_2.3 Q1_2_2_2.4 Q1_2_2_2.5 Q1_2_2_2.6 Q1_2_2_2.7 Q1_2_2_2.8 Q1_3.1 Q1_3.2 Q1_3.3 Q1_3.4 Q1_3.5 Q1_3.6 Q1_3.7 Q1_3.8 Q1_3_1.1 Q1_3_1.2 Q1_3_1.3 Q1_3_1.4 Q1_3_1.5 Q1_3_1.6 Q1_3_1.7 Q1_3_1.8 Q1_3_1_1.1 Q1_3_1_1.2 Q1_3_1_1.3 Q1_3_1_1.4 Q1_3_1_1.5 Q1_3_1_1.6 Q1_3_1_1.7 Q1_3_1_1.8 Q1_3_1_1_1.1 Q1_3_1_1_1.2 Q1_3_1_1_1.3 Q1_3_1_1_1.4 Q1_3_1_1_1.5 Q1_3_1_1_1.6 Q1_3_1_1_1.7 Q1_3_1_1_1.8 Q1_3_1_2.1 Q1_3_1_2.2 Q1_3_1_2.3 Q1_3_1_2.4 Q1_3_1_2.5 Q1_3_1_2.6 Q1_3_1_2.7 Q1_3_1_2.8 Q1_4.1 Q1_4.2 Q1_4.3 Q1_4.4 Q1_4.5 Q1_4.6 Q1_4.7 Q1_4.8 Q1_4_1.1 Q1_4_1.2 Q1_4_1.3 Q1_4_1.4 Q1_4_1.5 Q1_4_1.6 Q1_4_1.7 Q1_4_1.8 Q1_4_1_1.1 Q1_4_1_1.2 Q1_4_1_1.3 Q1_4_1_1.4 Q1_4_1_1.5 Q1_4_1_1.6 Q1_4_1_1.7 Q1_4_1_1.8 Q1_4_2.1 Q1_4_2.2 Q1_4_2.3 Q1_4_2.4 Q1_4_2.5 Q1_4_2.6 Q1_4_2.7 Q1_4_2.8 Q2_1.1 Q2_1.2 Q2_1.3 Q2_1.4 Q2_1.5 Q2_1.6 Q2_1.7 Q2_1.8 Q2_1_1.1 Q2_1_1.2 Q2_1_1.3 Q2_1_1.4 Q2_1_1.5 Q2_1_1.6 Q2_1_1.7 Q2_1_1.8 Q2_1_1_1.1 Q2_1_1_1.2 Q2_1_1_1.3 Q2_1_1_1.4 Q2_1_1_1.5 Q2_1_1_1.6 Q2_1_1_1.7 Q2_1_1_1.8 Q2_1_1_1_1.1 Q2_1_1_1_1.2 Q2_1_1_1_1.3 Q2_1_1_1_1.4 Q2_1_1_1_1.5 Q2_1_1_1_1.6 Q2_1_1_1_1.7 Q2_1_1_1_1.8 Q2_1_1_1_1_1.1 Q2_1_1_1_1_1.2 Q2_1_1_1_1_1.3 Q2_1_1_1_1_1.4 Q2_1_1_1_1_1.5 Q2_1_1_1_1_1.6 Q2_1_1_1_1_1.7 Q2_1_1_1_1_1.8 Q2_1_1_1_1_1_1.1 Q2_1_1_1_1_1_1.2 Q2_1_1_1_1_1_1.3 Q2_1_1_1_1_1_1.4 Q2_1_1_1_1_1_1.5 Q2_1_1_1_1_1_1.6 Q2_1_1_1_1_1_1.7 Q2_1_1_1_1_1_1.8 Q2_1_1_1_1_1_1_1.1 Q2_1_1_1_1_1_1_1.2 Q2_1_1_1_1_1_1_1.3 Q2_1_1_1_1_1_1_1.4 Q2_1_1_1_1_1_1_1.5 Q2_1_1_1_1_1_1_1.6 Q2_1_1_1_1_1_1_1.7 Q2_1_1_1_1_1_1_1.8 Q2_1_1_1_1_1_2.1 Q2_1_1_1_1_1_2.2 Q2_1_1_1_1_1_2.3 Q2_1_1_1_1_1_2.4 Q2_1_1_1_1_1_2.5 Q2_1_1_1_1_1_2.6 Q2_1_1_1_1_1_2.7 Q2_1_1_1_1_1_2.8 Q2_1_1_1_2.1 Q2_1_1_1_2.2 Q2_1_1_1_2.3 Q2_1_1_1_2.4 Q2_1_1_1_2.5 Q2_1_1_1_2.6 Q2_1_1_1_2.7 Q2_1_1_1_2.8 Q2_1_1_1_2_1.1 Q2_1_1_1_2_1.2 Q2_1_1_1_2_1.3 Q2_1_1_1_2_1.4 Q2_1_1_1_2_1.5 Q2_1_1_1_2_1.6 Q2_1_1_1_2_1.7 Q2_1_1_1_2_1.8 Q2_1_1_1_2_1_1.1 Q2_1_1_1_2_1_1.2 Q2_1_1_1_2_1_1.3 Q2_1_1_1_2_1_1.4 Q2_1_1_1_2_1_1.5 Q2_1_1_1_2_1_1.6 Q2_1_1_1_2_1_1.7 Q2_1_1_1_2_1_1.8 Q2_1_1_1_2_2.1 Q2_1_1_1_2_2.2 Q2_1_1_1_2_2.3 Q2_1_1_1_2_2.4 Q2_1_1_1_2_2.5 Q2_1_1_1_2_2.6 Q2_1_1_1_2_2.7 Q2_1_1_1_2_2.8 Q2_1_1_2.1 Q2_1_1_2.2 Q2_1_1_2.3 Q2_1_1_2.4 Q2_1_1_2.5 Q2_1_1_2.6 Q2_1_1_2.7 Q2_1_1_2.8 Q2_1_1_2_1.1 Q2_1_1_2_1.2 Q2_1_1_2_1.3 Q2_1_1_2_1.4 Q2_1_1_2_1.5 Q2_1_1_2_1.6 Q2_1_1_2_1.7 Q2_1_1_2_1.8 Q2_1_1_2_1_1.1 Q2_1_1_2_1_1.2 Q2_1_1_2_1_1.3 Q2_1_1_2_1_1.4 Q2_1_1_2_1_1.5 Q2_1_1_2_1_1.6 Q2_1_1_2_1_1.7 Q2_1_1_2_1_1.8 Q2_1_1_2_2.1 Q2_1_1_2_2.2 Q2_1_1_2_2.3 Q2_1_1_2_2.4 Q2_1_1_2_2.5 Q2_1_1_2_2.6 Q2_1_1_2_2.7 Q2_1_1_2_2.8 Q2_1_2.1 Q2_1_2.2 Q2_1_2.3 Q2_1_2.4 Q2_1_2.5 Q2_1_2.6 Q2_1_2.7 Q2_1_2.8 Q2_1_2_1.1 Q2_1_2_1.2 Q2_1_2_1.3 Q2_1_2_1.4 Q2_1_2_1.5 Q2_1_2_1.6 Q2_1_2_1.7 Q2_1_2_1.8 Q2_1_2_1_1.1 Q2_1_2_1_1.2 Q2_1_2_1_1.3 Q2_1_2_1_1.4 Q2_1_2_1_1.5 Q2_1_2_1_1.6 Q2_1_2_1_1.7 Q2_1_2_1_1.8 Q2_1_2_1_1_1.1 Q2_1_2_1_1_1.2 Q2_1_2_1_1_1.3 Q2_1_2_1_1_1.4 Q2_1_2_1_1_1.5 Q2_1_2_1_1_1.6 Q2_1_2_1_1_1.7 Q2_1_2_1_1_1.8 Q2_1_2_1_2.1 Q2_1_2_1_2.2 Q2_1_2_1_2.3 Q2_1_2_1_2.4 Q2_1_2_1_2.5 Q2_1_2_1_2.6 Q2_1_2_1_2.7 Q2_1_2_1_2.8 Q2_1_3.1 Q2_1_3.2 Q2_1_3.3 Q2_1_3.4 Q2_1_3.5 Q2_1_3.6 Q2_1_3.7 Q2_1_3.8 Q2_1_3_1.1 Q2_1_3_1.2 Q2_1_3_1.3 Q2_1_3_1.4 Q2_1_3_1.5 Q2_1_3_1.6 Q2_1_3_1.7 Q2_1_3_1.8 Q2_1_3_1_1.1 Q2_1_3_1_1.2 Q2_1_3_1_1.3 Q2_1_3_1_1.4 Q2_1_3_1_1.5 Q2_1_3_1_1.6 Q2_1_3_1_1.7 Q2_1_3_1_1.8 Q2_1_3_2.1 Q2_1_3_2.2 Q2_1_3_2.3 Q2_1_3_2.4 Q2_1_3_2.5 Q2_1_3_2.6 Q2_1_3_2.7 Q2_1_3_2.8 Q2_2.1 Q2_2.2 Q2_2.3 Q2_2.4 Q2_2.5 Q2_2.6 Q2_2.7 Q2_2.8 Q2_2_1.1 Q2_2_1.2 Q2_2_1.3 Q2_2_1.4 Q2_2_1.5 Q2_2_1.6 Q2_2_1.7 Q2_2_1.8 Q2_2_1_1.1 Q2_2_1_1.2 Q2_2_1_1.3 Q2_2_1_1.4 Q2_2_1_1.5 Q2_2_1_1.6 Q2_2_1_1.7 Q2_2_1_1.8 Q2_2_1_1_1.1 Q2_2_1_1_1.2 Q2_2_1_1_1.3 Q2_2_1_1_1.4 Q2_2_1_1_1.5 Q2_2_1_1_1.6 Q2_2_1_1_1.7 Q2_2_1_1_1.8 Q2_2_1_1_1_1.1 Q2_2_1_1_1_1.2 Q2_2_1_1_1_1.3 Q2_2_1_1_1_1.4 Q2_2_1_1_1_1.5 Q2_2_1_1_1_1.6 Q2_2_1_1_1_1.7 Q2_2_1_1_1_1.8 Q2_2_1_1_1_1_1.1 Q2_2_1_1_1_1_1.2 Q2_2_1_1_1_1_1.3 Q2_2_1_1_1_1_1.4 Q2_2_1_1_1_1_1.5 Q2_2_1_1_1_1_1.6 Q2_2_1_1_1_1_1.7 Q2_2_1_1_1_1_1.8 Q2_2_1_1_1_2.1 Q2_2_1_1_1_2.2 Q2_2_1_1_1_2.3 Q2_2_1_1_1_2.4 Q2_2_1_1_1_2.5 Q2_2_1_1_1_2.6 Q2_2_1_1_1_2.7 Q2_2_1_1_1_2.8 Q2_2_1_2.1 Q2_2_1_2.2 Q2_2_1_2.3 Q2_2_1_2.4 Q2_2_1_2.5 Q2_2_1_2.6 Q2_2_1_2.7 Q2_2_1_2.8 Q2_2_1_2_1.1 Q2_2_1_2_1.2 Q2_2_1_2_1.3 Q2_2_1_2_1.4 Q2_2_1_2_1.5 Q2_2_1_2_1.6 Q2_2_1_2_1.7 Q2_2_1_2_1.8 Q2_2_1_2_1_1.1 Q2_2_1_2_1_1.2 Q2_2_1_2_1_1.3 Q2_2_1_2_1_1.4 Q2_2_1_2_1_1.5 Q2_2_1_2_1_1.6 Q2_2_1_2_1_1.7 Q2_2_1_2_1_1.8 Q2_2_1_2_2.1 Q2_2_1_2_2.2 Q2_2_1_2_2.3 Q2_2_1_2_2.4 Q2_2_1_2_2.5 Q2_2_1_2_2.6 Q2_2_1_2_2.7 Q2_2_1_2_2.8 Q2_2_2.1 Q2_2_2.2 Q2_2_2.3 Q2_2_2.4 Q2_2_2.5 Q2_2_2.6 Q2_2_2.7 Q2_2_2.8 Q2_2_2_1.1 Q2_2_2_1.2 Q2_2_2_1.3 Q2_2_2_1.4 Q2_2_2_1.5 Q2_2_2_1.6 Q2_2_2_1.7 Q2_2_2_1.8 Q2_2_2_1_1.1 Q2_2_2_1_1.2 Q2_2_2_1_1.3 Q2_2_2_1_1.4 Q2_2_2_1_1.5 Q2_2_2_1_1.6 Q2_2_2_1_1.7 Q2_2_2_1_1.8 Q2_2_2_2.1 Q2_2_2_2.2 Q2_2_2_2.3 Q2_2_2_2.4 Q2_2_2_2.5 Q2_2_2_2.6 Q2_2_2_2.7 Q2_2_2_2.8 Q2_3.1 Q2_3.2 Q2_3.3 Q2_3.4 Q2_3.5 Q2_3.6 Q2_3.7 Q2_3.8 Q2_3_1.1 Q2_3_1.2 Q2_3_1.3 Q2_3_1.4 Q2_3_1.5 Q2_3_1.6 Q2_3_1.7 Q2_3_1.8 Q2_3_1_1.1 Q2_3_1_1.2 Q2_3_1_1.3 Q2_3_1_1.4 Q2_3_1_1.5 Q2_3_1_1.6 Q2_3_1_1.7 Q2_3_1_1.8 Q2_3_1_1_1.1 Q2_3_1_1_1.2 Q2_3_1_1_1.3 Q2_3_1_1_1.4 Q2_3_1_1_1.5 Q2_3_1_1_1.6 Q2_3_1_1_1.7 Q2_3_1_1_1.8 Q2_3_1_2.1 Q2_3_1_2.2 Q2_3_1_2.3 Q2_3_1_2.4 Q2_3_1_2.5 Q2_3_1_2.6 Q2_3_1_2.7 Q2_3_1_2.8 Q2_4.1 Q2_4.2 Q2_4.3 Q2_4.4 Q2_4.5 Q2_4.6 